# KiCad board FrontEnd_5G.kicad_pcb (continued)
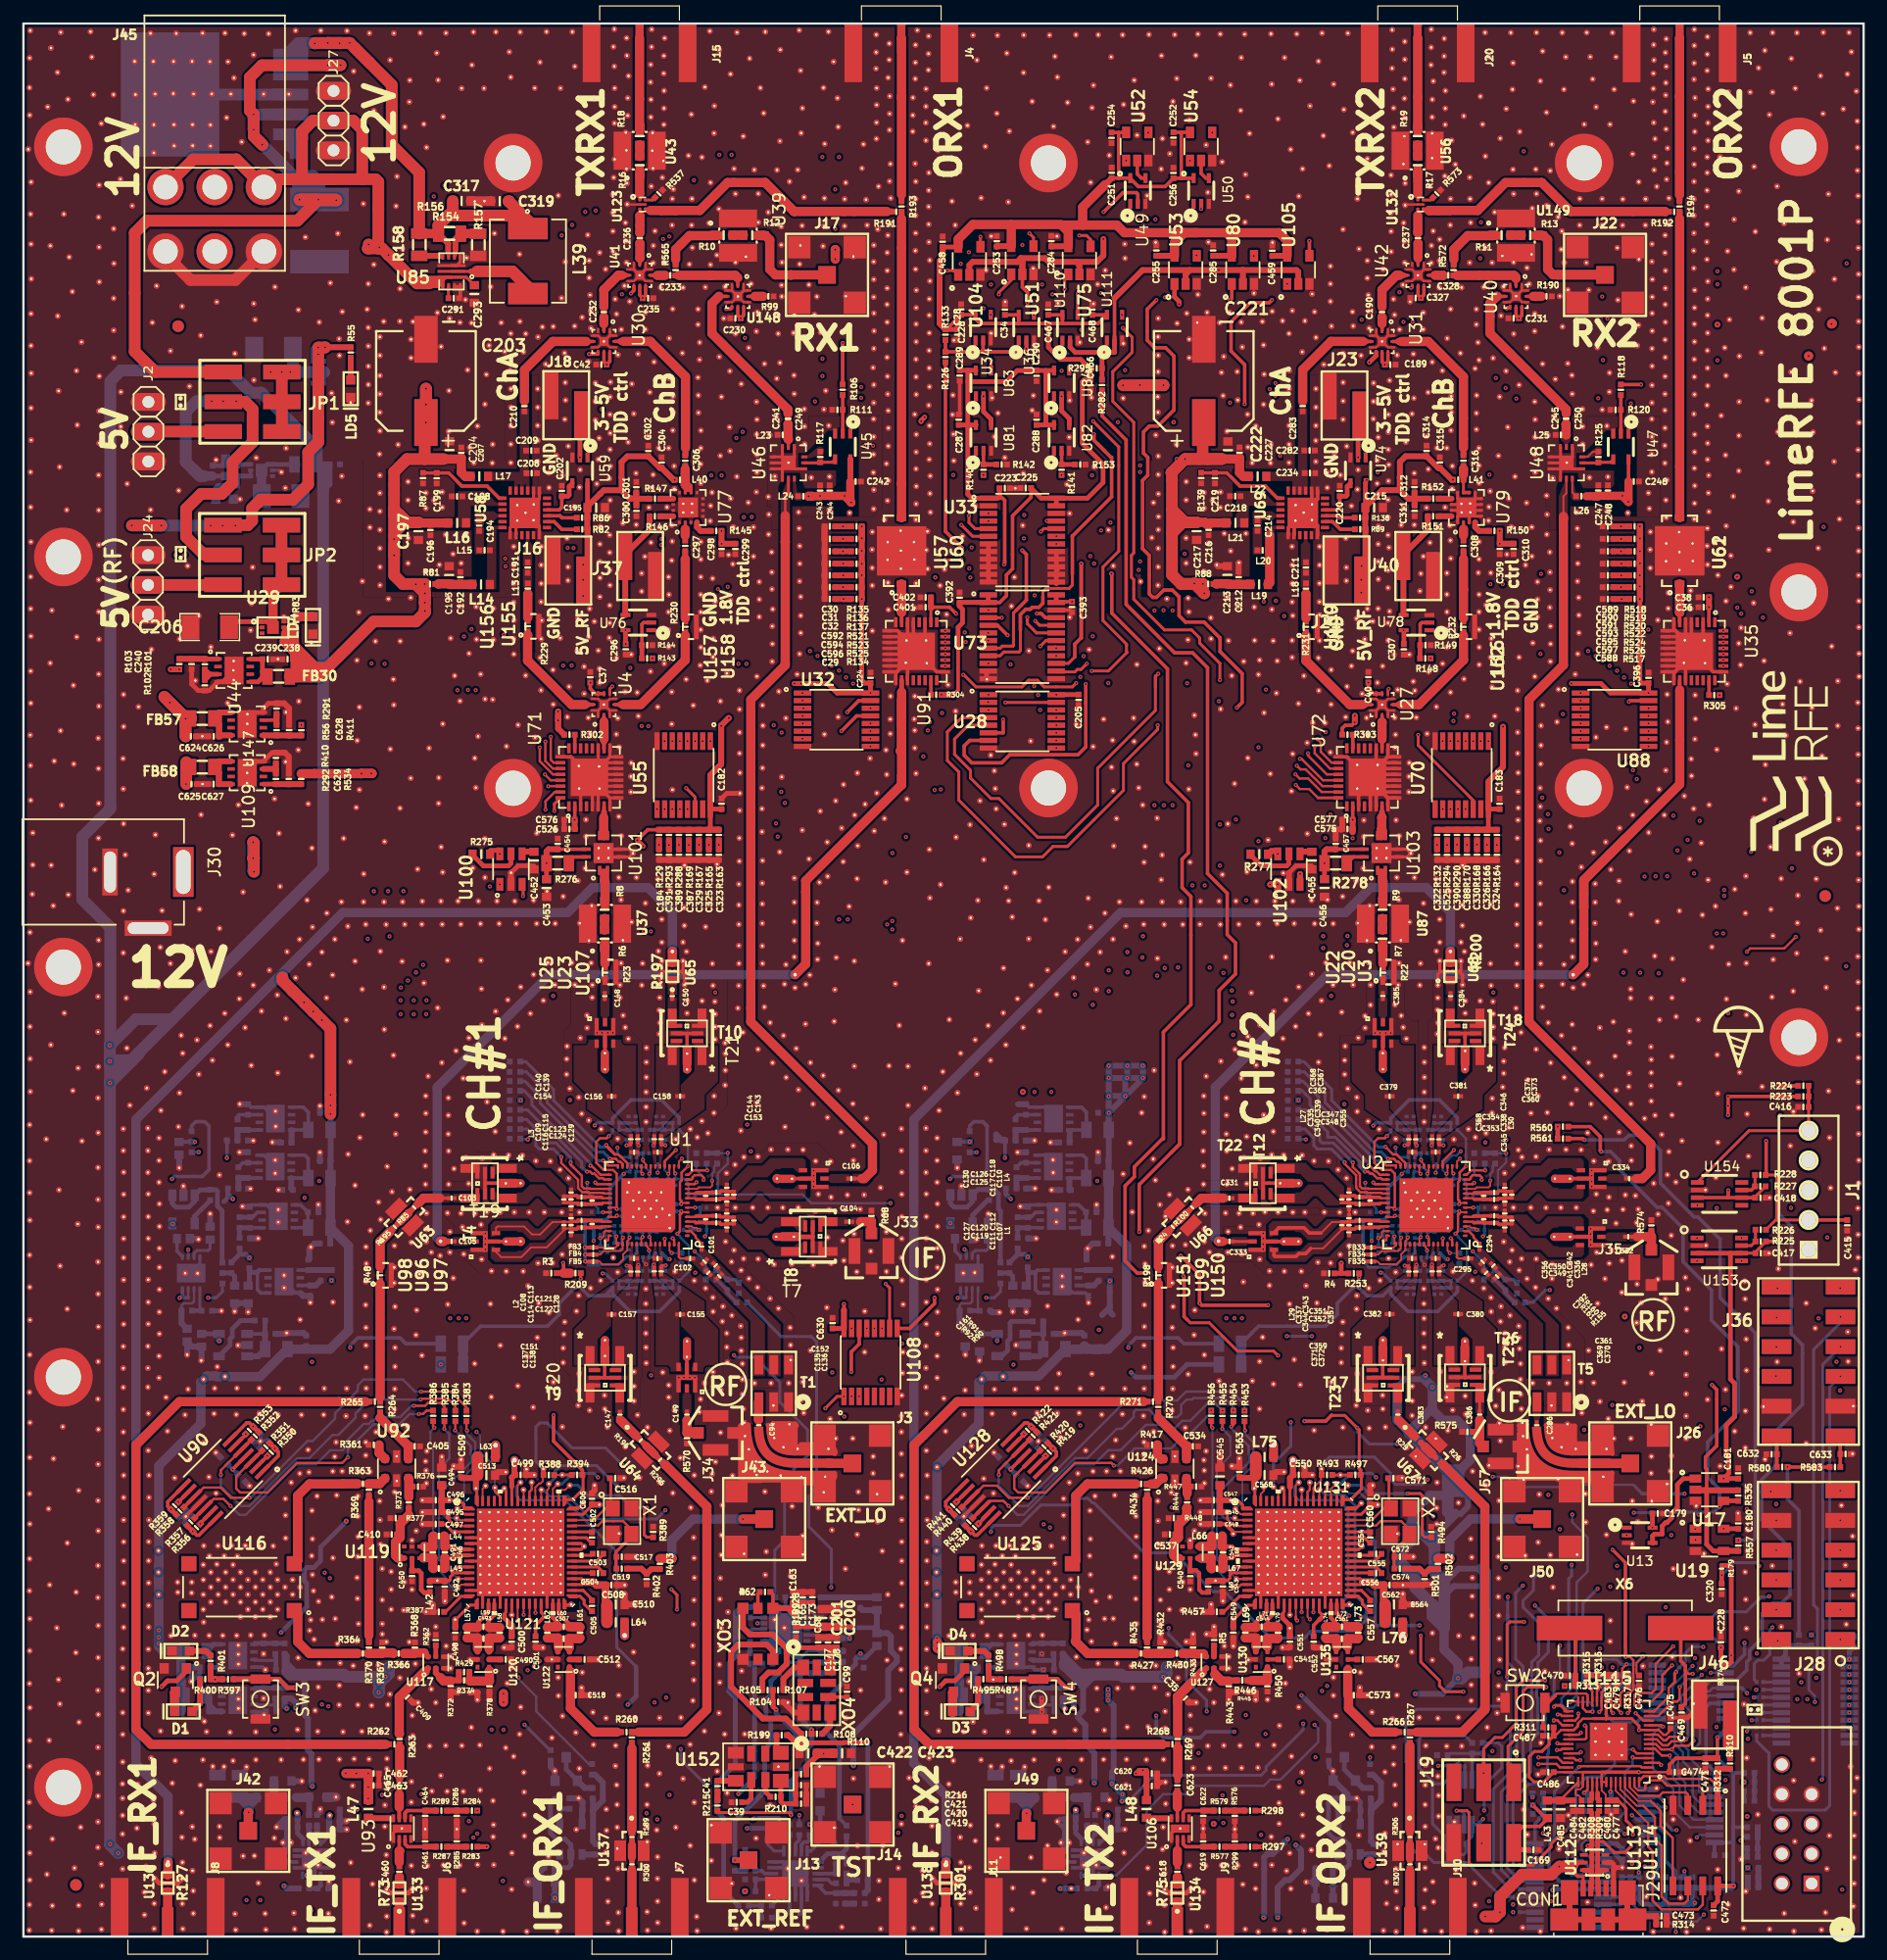
[diagram p0: board, top side]
## Placement (name value [footprint] x y rotation side) (continued)
Ref**#2129  Val**  [VIA_600_400]  155.01 95.36 0 top
Ref**#2130  Val**  [VIA_600_400]  147.75 95.46 0 top
Ref**#2131  Val**  [VIA_600_400]  148.67 97.06 0 top
Ref**#2132  Val**  [VIA_600_400]  151.23 95.4 0 top
Ref**#2133  Val**  [VIA_600_400#10]  35.61 59.34 0 top
Ref**#2134  Val**  [VIA_600_400]  47.43 99.9 0 top
Ref**#2135  Val**  [VIA_600_400]  49.16 99.86 0 top
Ref**#2136  Val**  [VIA_600_400]  49.19 97.97 0 top
Ref**#2137  Val**  [VIA_600_400]  47.45 97.97 0 top
Ref**#2138  Val**  [VIA_600_400]  61.13 91.77 0 top
Ref**#2139  Val**  [VIA_600_400]  63.07 94.28 0 top
Ref**#2140  Val**  [VIA_600_400]  63.11 105.08 0 top
Ref**#2141  Val**  [VIA_600_400]  54.51 83.27 0 top
Ref**#2142  Val**  [VIA_600_400#10]  65.89 82.09 0 top
Ref**#2143  Val**  [VIA_600_400]  54.22 84.1 0 top
Ref**#2144  Val**  [VIA_600_400]  55.2 89.32 0 top
Ref**#2145  Val**  [VIA_600_400]  56.42 87.8 0 top
Ref**#2146  Val**  [VIA_600_400]  56.45 91.42 0 top
Ref**#2147  Val**  [VIA_600_400]  56.44 86.28 270 top
Ref**#2148  Val**  [VIA_600_400]  54.19 90.26 0 top
Ref**#2149  Val**  [VIA_600_400]  44.78 83.11 0 top
Ref**#2150  Val**  [VIA_600_400]  42.46 81.04 0 top
Ref**#2151  Val**  [VIA_600_400]  41.36 79.94 0 top
Ref**#2152  Val**  [VIA_600_400]  43.56 82.1 0 top
Ref**#2153  Val**  [VIA_600_400]  53.11 88.19 0 top
Ref**#2154  Val**  [VIA_600_400]  43.56 88.44 0 top
Ref**#2155  Val**  [VIA_600_400]  54.51 86.81 0 top
Ref**#2156  Val**  [VIA_600_400]  47.09 81.23 0 top
Ref**#2157  Val**  [VIA_600_400]  52.87 83.05 0 top
Ref**#2158  Val**  [VIA_600_400]  52.8 81.19 0 top
Ref**#2159  Val**  [VIA_600_400]  46.82 83.11 0 top
Ref**#2160  Val**  [VIA_600_400]  40.32 78.96 0 top
Ref**#2161  Val**  [VIA_600_400]  38.04 76.69 0 top
Ref**#2162  Val**  [VIA_600_400]  36.94 75.59 0 top
Ref**#2163  Val**  [VIA_600_400]  39.15 77.8 0 top
Ref**#2164  Val**  [VIA_600_400]  35.73 74.58 0 top
Ref**#2165  Val**  [VIA_600_400]  34.35 71.74 0 top
Ref**#2166  Val**  [VIA_600_400]  34.36 70.26 0 top
Ref**#2167  Val**  [VIA_600_400]  34.56 73.42 0 top
Ref**#2168  Val**  [VIA_600_400]  45.38 81.22 0 top
Ref**#2169  Val**  [VIA_600_400]  43.29 78.77 0 top
Ref**#2170  Val**  [VIA_600_400]  42.19 77.67 0 top
Ref**#2171  Val**  [VIA_600_400]  44.4 79.88 0 top
Ref**#2172  Val**  [VIA_600_400]  41.11 76.64 0 top
Ref**#2173  Val**  [VIA_600_400]  38.83 74.37 0 top
Ref**#2174  Val**  [VIA_600_400]  37.55 73.24 0 top
Ref**#2175  Val**  [VIA_600_400]  39.94 75.48 0 top
Ref**#2176  Val**  [VIA_600_400]  36.29 70.09 0 top
Ref**#2177  Val**  [VIA_600_400]  36.29 71.57 0 top
Ref**#2178  Val**  [VIA_600_400]  36.31 67.04 0 top
Ref**#2179  Val**  [VIA_600_400]  36.28 68.49 90 top
Ref**#2180  Val**  [VIA_600_400]  34.32 65.77 0 top
Ref**#2181  Val**  [VIA_600_400]  32.34 83.22 0 top
Ref**#2182  Val**  [VIA_600_400]  36.21 83.31 0 top
Ref**#2183  Val**  [VIA_600_400]  30.82 77.41 0 top
Ref**#2184  Val**  [VIA_600_400]  29.04 88.3 0 top
Ref**#2185  Val**  [VIA_600_400]  34.2 81.38 0 top
Ref**#2186  Val**  [VIA_600_400]  27.15 88.3 0 top
Ref**#2187  Val**  [VIA_600_400]  28.32 83.24 0 top
Ref**#2188  Val**  [VIA_600_400]  27.58 78.22 0 top
Ref**#2189  Val**  [VIA_600_400]  28.93 80.84 0 top
Ref**#2190  Val**  [VIA_600_400]  30.48 84.08 0 top
Ref**#2191  Val**  [VIA_600_400]  30.79 81.03 0 top
Ref**#2192  Val**  [VIA_600_400]  25.88 80.11 0 top
Ref**#2193  Val**  [VIA_600_400]  19.45 74.34 0 top
Ref**#2194  Val**  [VIA_600_400]  25.91 87.34 0 top
Ref**#2195  Val**  [VIA_600_400]  24.68 86.15 0 top
Ref**#2196  Val**  [VIA_600_400]  23.58 85.1 0 top
Ref**#2197  Val**  [VIA_600_400]  29.23 86.38 0 top
Ref**#2198  Val**  [VIA_600_400]  21 82.47 0 top
Ref**#2199  Val**  [VIA_600_400]  22.51 84.05 0 top
Ref**#2200  Val**  [VIA_600_400]  19.63 81.19 0 top
Ref**#2201  Val**  [VIA_600_400]  26.59 85.11 0 top
Ref**#2202  Val**  [VIA_600_400]  25.49 84.01 0 top
Ref**#2203  Val**  [VIA_600_400]  27.7 86.22 0 top
Ref**#2204  Val**  [VIA_600_400]  24.41 82.98 0 top
Ref**#2205  Val**  [VIA_600_400]  21.69 80.36 0 top
Ref**#2206  Val**  [VIA_600_400]  23.24 81.82 0 top
Ref**#2207  Val**  [VIA_600_400]  18.44 80.03 0 top
Ref**#2208  Val**  [VIA_600_400]  17.19 78.79 0 top
Ref**#2209  Val**  [VIA_600_400]  15.94 77.74 0 top
Ref**#2210  Val**  [VIA_600_400]  30.97 86.37 0 top
Ref**#2211  Val**  [VIA_600_400]  35.76 86.38 0 top
Ref**#2212  Val**  [VIA_600_400]  34.02 86.39 0 top
Ref**#2213  Val**  [VIA_600_400]  42.08 86.45 0 top
Ref**#2214  Val**  [VIA_600_400]  43.82 86.44 0 top
Ref**#2215  Val**  [VIA_600_400]  39.03 86.43 0 top
Ref**#2216  Val**  [VIA_600_400]  34.06 88.35 0 top
Ref**#2217  Val**  [VIA_600_400]  38.85 88.36 0 top
Ref**#2218  Val**  [VIA_600_400]  37.11 88.37 0 top
Ref**#2219  Val**  [VIA_600_400]  30.79 88.3 0 top
Ref**#2220  Val**  [VIA_600_400]  73.72 99.17 0 top
Ref**#2221  Val**  [VIA_600_400]  68.67 90.48 0 top
Ref**#2222  Val**  [VIA_600_400]  76.22 99.26 0 top
Ref**#2223  Val**  [VIA_600_400]  72.65 94.35 0 top
Ref**#2224  Val**  [VIA_600_400]  75.44 97.08 0 top
Ref**#2225  Val**  [VIA_600_400]  73.52 95.42 0 top
Ref**#2226  Val**  [VIA_600_400]  72.87 97.59 0 top
Ref**#2227  Val**  [VIA_600_400]  71.87 96.64 0 top
Ref**#2228  Val**  [VIA_600_400]  69.87 94.6 0 top
Ref**#2229  Val**  [VIA_600_400]  70.98 95.71 0 top
Ref**#2230  Val**  [VIA_600_400]  83.06 96.24 0 top
Ref**#2231  Val**  [VIA_600_400]  81.68 96.93 0 top
Ref**#2232  Val**  [VIA_600_400]  76.11 101.43 0 top
Ref**#2233  Val**  [VIA_600_400]  68.64 93.4 0 top
Ref**#2234  Val**  [VIA_600_400]  67.08 91.96 0 top
Ref**#2235  Val**  [VIA_600_400]  65.83 85.01 0 top
Ref**#2236  Val**  [VIA_600_400]  67.81 83.39 0 top
Ref**#2237  Val**  [VIA_600_400]  65.83 83.6 0 top
Ref**#2238  Val**  [VIA_600_400]  64.99 81.28 0 top
Ref**#2239  Val**  [VIA_600_400]  65.89 80.97 0 top
Ref**#2240  Val**  [VIA_600_400]  65.11 82.95 0 top
Ref**#2241  Val**  [VIA_600_400]  67.15 82.06 0 top
Ref**#2242  Val**  [VIA_600_400]  66.8 81.27 0 top
Ref**#2243  Val**  [VIA_600_400]  58.83 83.03 0 top
Ref**#2244  Val**  [VIA_600_400]  63.11 83.04 0 top
Ref**#2245  Val**  [VIA_600_400]  63.2 81.14 0 top
Ref**#2246  Val**  [VIA_600_400]  58.88 81.16 0 top
Ref**#2247  Val**  [VIA_600_400]  63.11 91.82 0 top
Ref**#2248  Val**  [VIA_600_400]  63.09 84.54 0 top
Ref**#2249  Val**  [VIA_600_400]  35.58 58.11 90 top
Ref**#2250  Val**  [VIA_600_400]  36.42 58.4 90 top
Ref**#2251  Val**  [VIA_600_400]  34.4 59.31 90 top
Ref**#2252  Val**  [VIA_600_400]  34.83 58.4 90 top
Ref**#2253  Val**  [VIA_600_400]  34.38 60.36 90 top
Ref**#2254  Val**  [VIA_600_400]  36.42 60.15 90 top
Ref**#2255  Val**  [VIA_600_400]  39.4 93.7 0 top
Ref**#2256  Val**  [VIA_600_400]  19.11 102.64 270 top
Ref**#2257  Val**  [VIA_600_400]  27.95 6.31 0 top
Ref**#2258  Val**  [VIA_600_400]  69.82 68.65 0 top
Ref**#2259  Val**  [VIA_600_400]  67.42 71.05 0 top
Ref**#2260  Val**  [VIA_600_400]  68.66 69.9 0 top
Ref**#2261  Val**  [VIA_600_400]  63.97 74.57 0 top
Ref**#2262  Val**  [VIA_600_400]  62.73 75.72 0 top
Ref**#2263  Val**  [VIA_600_400]  65.13 73.32 0 top
Ref**#2264  Val**  [VIA_600_400]  64.9 76.89 0 top
Ref**#2265  Val**  [VIA_600_400]  67.2 74.58 0 top
Ref**#2266  Val**  [VIA_600_400]  63.27 79.33 0 top
Ref**#2267  Val**  [VIA_600_400]  75.06 48.09 0 top
Ref**#2268  Val**  [VIA_600_400]  75.09 49.88 0 top
Ref**#2269  Val**  [VIA_600_400]  74.98 44.43 0 top
Ref**#2270  Val**  [VIA_600_400]  75 46.18 0 top
Ref**#2271  Val**  [VIA_600_400]  75.12 53.95 0 top
Ref**#2272  Val**  [VIA_600_400]  71.83 49.88 0 top
Ref**#2273  Val**  [VIA_600_400]  156.32 8.6 0 top
Ref**#2274  Val**  [VIA_600_400]  156.32 6.74 0 top
Ref**#2275  Val**  [VIA_600_400]  156.36 10.52 0 top
Ref**#2276  Val**  [VIA_600_400]  156.32 12.41 0 top
Ref**#2277  Val**  [VIA_600_400]  113.26 83.11 0 top
Ref**#2278  Val**  [VIA_600_400]  102.86 60.16 90 top
Ref**#2279  Val**  [VIA_600_400]  100.82 60.37 90 top
Ref**#2280  Val**  [VIA_600_400]  101.27 58.41 90 top
Ref**#2281  Val**  [VIA_600_400]  100.84 59.32 90 top
Ref**#2282  Val**  [VIA_600_400]  102.85 58.4 90 top
Ref**#2283  Val**  [VIA_600_400]  102.02 58.12 90 top
Ref**#2284  Val**  [VIA_600_400#10]  102.05 59.35 0 top
Ref**#2285  Val**  [VIA_600_400]  113.89 99.99 0 top
Ref**#2286  Val**  [VIA_600_400]  115.63 99.99 0 top
Ref**#2287  Val**  [VIA_600_400]  115.63 97.97 0 top
Ref**#2288  Val**  [VIA_600_400]  113.89 97.97 0 top
Ref**#2289  Val**  [VIA_600_400]  114.46 95.27 0 top
Ref**#2290  Val**  [VIA_600_400]  117.21 95.28 0 top
Ref**#2291  Val**  [VIA_600_400#10]  132.33 82.08 0 top
Ref**#2292  Val**  [VIA_600_400]  127.52 81.15 0 top
Ref**#2293  Val**  [VIA_600_400]  129.64 81.14 0 top
Ref**#2294  Val**  [VIA_600_400]  133.59 82.06 0 top
Ref**#2295  Val**  [VIA_600_400]  140.77 80.11 0 top
Ref**#2296  Val**  [VIA_600_400]  144.63 75.25 0 top
Ref**#2297  Val**  [VIA_600_400]  132.25 77.84 0 top
Ref**#2298  Val**  [VIA_600_400]  130.41 74.57 0 top
Ref**#2299  Val**  [VIA_600_400]  135.76 78.06 0 top
Ref**#2300  Val**  [VIA_600_400]  140.77 75.11 0 top
Ref**#2301  Val**  [VIA_600_400]  106.38 75.48 0 top
Ref**#2302  Val**  [VIA_600_400]  124.89 68.56 0 top
Ref**#2303  Val**  [VIA_600_400]  133.56 68.59 0 top
Ref**#2304  Val**  [VIA_600_400]  130.2 77.99 0 top
Ref**#2305  Val**  [VIA_600_400]  140.77 70.11 0 top
Ref**#2306  Val**  [VIA_600_400]  139.9 68.44 0 top
Ref**#2307  Val**  [VIA_600_400]  127.65 67.13 0 top
Ref**#2308  Val**  [VIA_600_400]  127.59 100.98 0 top
Ref**#2309  Val**  [VIA_600_400]  130.53 56.15 0 top
Ref**#2310  Val**  [VIA_600_400]  126.91 57.58 0 top
Ref**#2311  Val**  [VIA_600_400]  133.03 91.27 0 top
Ref**#2312  Val**  [VIA_600_400]  136 60.87 0 top
Ref**#2313  Val**  [VIA_600_400]  136.92 58.52 0 top
Ref**#2314  Val**  [VIA_600_400]  119.24 81.19 0 top
Ref**#2315  Val**  [VIA_600_400]  109.73 78.77 0 top
Ref**#2316  Val**  [VIA_600_400]  108.63 77.67 0 top
Ref**#2317  Val**  [VIA_600_400]  110.01 82.15 0 top
Ref**#2318  Val**  [VIA_600_400]  100.74 67.04 0 top
Ref**#2319  Val**  [VIA_600_400]  102.72 68.49 0 top
Ref**#2320  Val**  [VIA_600_400]  100.79 71.74 0 top
Ref**#2321  Val**  [VIA_600_400]  102.72 71.57 0 top
Ref**#2322  Val**  [VIA_600_400]  106.73 68.7 0 top
Ref**#2323  Val**  [VIA_600_400]  103.93 60.54 0 top
Ref**#2324  Val**  [VIA_600_400]  105.51 60.76 0 top
Ref**#2325  Val**  [VIA_600_400]  107.32 64.29 0 top
Ref**#2326  Val**  [VIA_600_400]  100.02 53.46 0 top
Ref**#2327  Val**  [VIA_600_400]  116.08 45.03 0 top
Ref**#2328  Val**  [VIA_600_400]  111.7 47.32 0 top
Ref**#2329  Val**  [VIA_600_400]  127.69 52.1 0 top
Ref**#2330  Val**  [VIA_600_400]  133.07 44.69 0 top
Ref**#2331  Val**  [VIA_600_400]  130.45 43.71 0 top
Ref**#2332  Val**  [VIA_600_400]  131.85 43.73 0 top
Ref**#2333  Val**  [VIA_600_400]  111.32 53.24 0 top
Ref**#2334  Val**  [VIA_600_400]  102.73 70.09 0 top
Ref**#2335  Val**  [VIA_600_400]  107.55 76.64 0 top
Ref**#2336  Val**  [VIA_600_400]  102.25 74.7 0 top
Ref**#2337  Val**  [VIA_600_400]  106.76 78.96 0 top
Ref**#2338  Val**  [VIA_600_400]  105.59 77.8 0 top
Ref**#2339  Val**  [VIA_600_400]  103.46 75.71 0 top
Ref**#2340  Val**  [VIA_600_400]  104.56 76.81 0 top
Ref**#2341  Val**  [VIA_600_400]  123.11 46.13 0 top
Ref**#2342  Val**  [VIA_600_400]  123.16 44.58 0 top
Ref**#2343  Val**  [VIA_600_400]  126.17 53.78 0 top
Ref**#2344  Val**  [VIA_600_400]  126.94 53 0 top
Ref**#2345  Val**  [VIA_600_400]  135.41 57.45 0 top
Ref**#2346  Val**  [VIA_600_400]  130.2 54.44 0 top
Ref**#2347  Val**  [VIA_600_400]  130.91 53.61 0 top
Ref**#2348  Val**  [VIA_600_400]  131.91 51.97 0 top
Ref**#2349  Val**  [VIA_600_400]  131.94 49.19 0 top
Ref**#2350  Val**  [VIA_600_400]  131.95 50.48 0 top
Ref**#2351  Val**  [VIA_600_400]  129.12 55.4 0 top
Ref**#2352  Val**  [VIA_600_400]  128.39 56.14 0 top
Ref**#2353  Val**  [VIA_600_400]  127.72 56.86 0 top
Ref**#2354  Val**  [VIA_600_400]  131.34 41.76 0 top
Ref**#2355  Val**  [VIA_600_400]  132.55 41.62 0 top
Ref**#2356  Val**  [VIA_600_400]  116.09 49.18 0 top
Ref**#2357  Val**  [VIA_600_400]  102.2 86.37 0 top
Ref**#2358  Val**  [VIA_600_400]  94.14 86.23 0 top
Ref**#2359  Val**  [VIA_600_400]  95.66 86.38 0 top
Ref**#2360  Val**  [VIA_600_400]  100.46 86.39 0 top
Ref**#2361  Val**  [VIA_600_400]  97.41 86.37 0 top
Ref**#2362  Val**  [VIA_600_400]  99 86.37 0 top
Ref**#2363  Val**  [VIA_600_400]  98.82 88.3 0 top
Ref**#2364  Val**  [VIA_600_400]  100.5 88.35 0 top
Ref**#2365  Val**  [VIA_600_400]  102.1 88.36 0 top
Ref**#2366  Val**  [VIA_600_400]  97.23 88.3 0 top
Ref**#2367  Val**  [VIA_600_400]  95.48 88.3 0 top
Ref**#2368  Val**  [VIA_600_400]  91.94 84.01 0 top
Ref**#2369  Val**  [VIA_600_400]  90.86 82.98 0 top
Ref**#2370  Val**  [VIA_600_400]  88.95 84.05 0 top
Ref**#2371  Val**  [VIA_600_400]  90.02 85.1 0 top
Ref**#2372  Val**  [VIA_600_400]  92.35 87.34 0 top
Ref**#2373  Val**  [VIA_600_400]  91.12 86.15 0 top
Ref**#2374  Val**  [VIA_600_400]  80.03 75.38 0 top
Ref**#2375  Val**  [VIA_600_400]  81.27 76.53 0 top
Ref**#2376  Val**  [VIA_600_400]  82.38 77.74 0 top
Ref**#2377  Val**  [VIA_600_400]  85.37 77.58 0 top
Ref**#2378  Val**  [VIA_600_400]  83.89 76.1 0 top
Ref**#2379  Val**  [VIA_600_400]  82.58 74.78 0 top
Ref**#2380  Val**  [VIA_600_400]  86.07 81.19 0 top
Ref**#2381  Val**  [VIA_600_400]  84.88 80.03 0 top
Ref**#2382  Val**  [VIA_600_400]  83.67 78.83 0 top
Ref**#2383  Val**  [VIA_600_400]  86.77 78.98 0 top
Ref**#2384  Val**  [VIA_600_400]  87.44 82.48 0 top
Ref**#2385  Val**  [VIA_600_400]  89.68 81.83 0 top
Ref**#2386  Val**  [VIA_600_400]  59.61 34.26 0 top
Ref**#2387  Val**  [VIA_600_400]  68.34 37.92 0 top
Ref**#2388  Val**  [VIA_600_400]  69.04 34.69 0 top
Ref**#2389  Val**  [VIA_600_400]  66.55 32.61 0 top
Ref**#2390  Val**  [VIA_600_400]  55.45 37.85 0 top
Ref**#2391  Val**  [VIA_600_400]  61.54 32.67 0 top
Ref**#2392  Val**  [VIA_600_400]  73.97 14.51 0 top
Ref**#2393  Val**  [VIA_600_400]  73.75 23.59 0 top
Ref**#2394  Val**  [VIA_600_400]  73.81 29.19 0 top
Ref**#2395  Val**  [VIA_600_400]  123.11 75.58 0 top
Ref**#2396  Val**  [VIA_600_400]  123.09 49.1 0 top
Ref**#2397  Val**  [VIA_600_400]  60.16 27.7 0 top
Ref**#2398  Val**  [VIA_600_400]  67.98 14.51 0 top
Ref**#2399  Val**  [VIA_600_400]  60.48 4.53 0 top
Ref**#2400  Val**  [VIA_600_400]  56.33 13.47 0 top
Ref**#2401  Val**  [VIA_600_400]  134.25 15.5 90 top
Ref**#2402  Val**  [VIA_600_400]  136.49 15.48 90 top
Ref**#2403  Val**  [VIA_600_400]  135.39 15.5 90 top
Ref**#2404  Val**  [VIA_600_400]  135.39 17.75 90 top
Ref**#2405  Val**  [VIA_600_400]  136.49 17.74 90 top
Ref**#2406  Val**  [VIA_600_400]  134.25 17.77 90 top
Ref**#2407  Val**  [VIA_600_400]  134.24 16.64 90 top
Ref**#2408  Val**  [VIA_600_400]  136.49 16.62 90 top
Ref**#2409  Val**  [VIA_600_400]  135.39 16.63 90 top
Ref**#2410  Val**  [VIA_600_400]  135.56 10.43 90 top
Ref**#2411  Val**  [VIA_600_400]  140.79 23.88 90 top
Ref**#2412  Val**  [VIA_600_400]  131.93 10.36 90 top
Ref**#2413  Val**  [VIA_600_400]  140.87 10 90 top
Ref**#2414  Val**  [VIA_600_400]  141.92 14.02 90 top
Ref**#2415  Val**  [VIA_600_400]  143.62 14.03 90 top
Ref**#2416  Val**  [VIA_600_400]  140.81 18.68 90 top
Ref**#2417  Val**  [VIA_600_400]  144.94 25.96 90 top
Ref**#2418  Val**  [VIA_600_400]  142.63 19.88 90 top
Ref**#2419  Val**  [VIA_600_400]  135.67 22.12 90 top
Ref**#2420  Val**  [VIA_600_400]  125.98 20.25 90 top
Ref**#2421  Val**  [VIA_600_400]  129.92 22.65 90 top
Ref**#2422  Val**  [VIA_600_400]  144.67 5.72 90 top
Ref**#2423  Val**  [VIA_600_400]  129.34 13.84 90 top
Ref**#2424  Val**  [VIA_600_400]  129.58 16.53 90 top
Ref**#2425  Val**  [VIA_600_400]  136.52 5.89 0 top
Ref**#2426  Val**  [VIA_600_400]  140.88 31.38 90 top
Ref**#2427  Val**  [VIA_600_400]  78.31 89.78 0 top
Ref**#2428  Val**  [VIA_600_400]  99.62 91.69 0 top
Ref**#2429  Val**  [VIA_600_400]  95.78 93.03 0 top
Ref**#2430  Val**  [VIA_600_400]  77.41 88.64 0 top
Ref**#2431  Val**  [VIA_600_400]  87.27 86.79 0 top
Ref**#2432  Val**  [VIA_600_400]  82.01 91.9 0 top
Ref**#2433  Val**  [VIA_600_400]  85.85 93.13 0 top
Ref**#2434  Val**  [VIA_600_400]  84.65 90.8 0 top
Ref**#2435  Val**  [VIA_600_400]  93.11 93.07 0 top
Ref**#2436  Val**  [VIA_600_400]  95.69 91.68 0 top
Ref**#2437  Val**  [VIA_600_400]  86.72 88.39 0 top
Ref**#2438  Val**  [VIA_600_400]  96.81 95.45 0 top
Ref**#2439  Val**  [VIA_600_400]  149.05 58.31 0 top
Ref**#2440  Val**  [VIA_600_400]  143.67 58.99 0 top
Ref**#2441  Val**  [VIA_600_400]  143.62 63.72 0 top
Ref**#2442  Val**  [VIA_600_400]  19.12 103.5 270 top
Ref**#2443  Val**  [VIA_600_400]  19.13 104.33 270 top
Ref**#2444  Val**  [VIA_600_400]  15.3 98.36 0 top
Ref**#2445  Val**  [VIA_600_400]  19.12 100.14 270 top
Ref**#2446  Val**  [VIA_600_400]  19.11 99.31 270 top
Ref**#2447  Val**  [VIA_600_400]  19.1 98.45 270 top
Ref**#2448  Val**  [VIA_600_400]  93.06 97.77 0 top
Ref**#2449  Val**  [VIA_600_400]  95.58 96.57 0 top
Ref**#2450  Val**  [VIA_600_400]  90.93 88.62 0 top
Ref**#2451  Val**  [VIA_600_400]  83.77 94.92 0 top
Ref**#2452  Val**  [VIA_600_400]  82.91 99.49 0 top
Ref**#2453  Val**  [VIA_600_400]  82.99 97.97 0 top
Ref**#2454  Val**  [VIA_600_400]  82.6 100.82 0 top
Ref**#2455  Val**  [VIA_600_400]  139.45 12.66 90 top
Ref**#2456  Val**  [VIA_600_400]  138.28 23.08 90 top
Ref**#2457  Val**  [VIA_600_400]  50.36 57.94 0 top
Ref**#2458  Val**  [VIA_600_400]  116.57 57.88 0 top
Ref**#2459  Val**  [VIA_600_400]  6.7 4.33 0 top
Ref**#2460  Val**  [VIA_600_400]  6.68 2.75 0 top
Ref**#2461  Val**  [VIA_600_400]  6.66 0.61 0 top
Ref**#2462  Val**  [VIA_600_400]  6.64 6.2 0 top
Ref**#2463  Val**  [VIA_600_400]  8.47 5.77 0 top
Ref**#2464  Val**  [VIA_600_400]  18.13 0.57 0 top
Ref**#2465  Val**  [VIA_600_400]  20.7 0.59 0 top
Ref**#2466  Val**  [VIA_600_400]  20.64 1.96 0 top
Ref**#2467  Val**  [VIA_600_400]  18.07 1.94 0 top
Ref**#2468  Val**  [VIA_600_400]  23.1 2.01 0 top
Ref**#2469  Val**  [VIA_600_400]  26.05 1.96 0 top
Ref**#2470  Val**  [VIA_600_400]  94.68 61.83 0 top
Ref**#2471  Val**  [VIA_600_400]  61.33 22.67 0 top
Ref**#2472  Val**  [VIA_600_400]  68.6 53.68 180 top
Ref**#2473  Val**  [VIA_600_400]  26.85 145.34 0 top
Ref**#2474  Val**  [VIA_600_400]  16.51 139.5 0 top
Ref**#2475  Val**  [VIA_600_400]  18.64 153.16 0 top
Ref**#2476  Val**  [VIA_600_400]  31.31 160.14 0 top
Ref**#2477  Val**  [VIA_600_400]  28.2 159.19 0 top
Ref**#2478  Val**  [VIA_600_400]  32.95 156.57 0 top
Ref**#2479  Val**  [VIA_600_400]  19.67 139.36 0 top
Ref**#2480  Val**  [VIA_600_400]  34.19 154.68 0 top
Ref**#2481  Val**  [VIA_600_400]  35.41 158.44 0 top
Ref**#2482  Val**  [VIA_600_400]  100.29 162.36 0 top
Ref**#2483  Val**  [VIA_600_400]  106.53 162.38 0 top
Ref**#2484  Val**  [VIA_600_400]  104.28 162.35 0 top
Ref**#2485  Val**  [VIA_600_400]  102.2 162.36 0 top
Ref**#2486  Val**  [VIA_600_400]  108.73 162.37 0 top
Ref**#2487  Val**  [VIA_600_400]  113.09 162.43 0 top
Ref**#2488  Val**  [VIA_600_400]  110.89 162.44 0 top
Ref**#2489  Val**  [VIA_600_400]  38.75 0.45 0 top
Ref**#2490  Val**  [VIA_600_400]  40.95 0.44 0 top
Ref**#2491  Val**  [VIA_600_400]  156.52 157.48 0 top
Ref**#2492  Val**  [VIA_600_400]  149.36 157.4 0 top
Ref**#2493  Val**  [VIA_600_400]  151.3 157.73 0 top
Ref**#2494  Val**  [VIA_600_400]  153.67 155.57 0 top
Ref**#2495  Val**  [VIA_600_400]  147.45 157.4 0 top
Ref**#2496  Val**  [VIA_600_400]  127.15 157.64 0 top
Ref**#2497  Val**  [VIA_600_400]  124.41 157.04 0 top
Ref**#2498  Val**  [VIA_600_400]  129.53 158.36 0 top
Ref**#2499  Val**  [VIA_600_400]  131.54 157.64 0 top
Ref**#2500  Val**  [VIA_600_400]  135.83 157.64 0 top
Ref**#2501  Val**  [VIA_600_400]  134 158.52 0 top
Ref**#2502  Val**  [VIA_600_400]  37.63 1.15 0 top
Ref**#2503  Val**  [VIA_600_400]  37.6 3.93 0 top
Ref**#2504  Val**  [VIA_600_400]  44.83 6.85 0 top
Ref**#2505  Val**  [VIA_600_400]  47.21 9.13 0 top
Ref**#2506  Val**  [VIA_600_400]  35.64 13.73 0 top
Ref**#2507  Val**  [VIA_600_400]  15.11 12.92 0 top
Ref**#2508  Val**  [VIA_600_400]  6.36 7.61 0 top
Ref**#2509  Val**  [VIA_600_400]  6.37 13.95 0 top
Ref**#2510  Val**  [VIA_600_400]  6.36 21.01 0 top
Ref**#2511  Val**  [VIA_600_400]  6.36 28.93 0 top
Ref**#2512  Val**  [VIA_600_400]  6.37 37.21 0 top
Ref**#2513  Val**  [VIA_600_400]  6.36 45.87 0 top
Ref**#2514  Val**  [VIA_600_400]  6.38 54.84 0 top
Ref**#2515  Val**  [VIA_600_400]  6.37 62.9 0 top
Ref**#2516  Val**  [VIA_600_400]  6.37 71.57 0 top
Ref**#2517  Val**  [VIA_600_400]  6.37 80.22 0 top
Ref**#2518  Val**  [VIA_600_400]  6.37 57.58 0 top
Ref**#2519  Val**  [VIA_600_400]  6.39 60.55 0 top
Ref**#2520  Val**  [VIA_600_400]  6.4 52.04 0 top
Ref**#2521  Val**  [VIA_600_400]  6.38 49.07 0 top
Ref**#2522  Val**  [VIA_600_400]  6.37 31.66 0 top
Ref**#2523  Val**  [VIA_600_400]  6.39 34.63 0 top
Ref**#2524  Val**  [VIA_600_400]  6.4 43.28 0 top
Ref**#2525  Val**  [VIA_600_400]  6.38 40.31 0 top
Ref**#2526  Val**  [VIA_600_400]  6.39 26.54 0 top
Ref**#2527  Val**  [VIA_600_400]  6.38 23.81 0 top
Ref**#2528  Val**  [VIA_600_400]  6.39 18.95 0 top
Ref**#2529  Val**  [VIA_600_400]  6.37 16.15 0 top
Ref**#2530  Val**  [VIA_600_400]  6.37 11.99 0 top
Ref**#2531  Val**  [VIA_600_400]  6.37 9.79 0 top
Ref**#2532  Val**  [VIA_600_400]  63.43 32.85 0 top
Ref**#2533  Val**  [VIA_600_400]  63.35 30.87 0 top
Ref**#2534  Val**  [VIA_600_400]  65.5 30.78 0 top
Ref**#2535  Val**  [VIA_600_400]  70.19 31.38 0 top
Ref**#2536  Val**  [VIA_600_400]  73.34 32.9 0 top
Ref**#2537  Val**  [VIA_600_400]  129.34 33.65 0 top
Ref**#2538  Val**  [VIA_600_400]  105.55 45.03 0 top
Ref**#2539  Val**  [VIA_600_400]  104.94 47.42 0 top
Ref**#2540  Val**  [VIA_600_400]  108.51 49.24 0 top
Ref**#2541  Val**  [VIA_600_400]  105.81 51.15 0 top
Ref**#2542  Val**  [VIA_600_400]  108.11 53.98 0 top
Ref**#2543  Val**  [VIA_600_400]  104.17 55.87 0 top
Ref**#2544  Val**  [VIA_600_400]  94.48 67.73 0 top
Ref**#2545  Val**  [VIA_600_400]  95.49 70.3 0 top
Ref**#2546  Val**  [VIA_600_400]  95.71 71.68 0 top
Ref**#2547  Val**  [VIA_600_400]  96.55 73.93 0 top
Ref**#2548  Val**  [VIA_600_400]  73.91 74.31 0 top
Ref**#2549  Val**  [VIA_600_400]  75.53 74.27 0 top
Ref**#2550  Val**  [VIA_600_400]  70.95 74.28 0 top
Ref**#2551  Val**  [VIA_600_400]  62.62 71.14 0 top
Ref**#2552  Val**  [VIA_600_400]  61.26 68.78 0 top
Ref**#2553  Val**  [VIA_600_400]  65.03 69.1 0 top
Ref**#2554  Val**  [VIA_600_400]  39.59 71.23 0 top
Ref**#2555  Val**  [VIA_600_400]  3.83 88.91 0 top
Ref**#2556  Val**  [VIA_600_400]  6.42 85.04 0 top
Ref**#2557  Val**  [VIA_600_400]  6.41 99.68 0 top
Ref**#2558  Val**  [VIA_600_400]  6.1 91.05 0 top
Ref**#2559  Val**  [VIA_600_400]  6.42 82.95 0 top
Ref**#2560  Val**  [VIA_600_400]  6.41 93.74 0 top
Ref**#2561  Val**  [VIA_600_400]  6.43 96.71 0 top
Ref**#2562  Val**  [VIA_600_400]  6.45 118.76 0 top
Ref**#2563  Val**  [VIA_600_400]  6.43 115.79 0 top
Ref**#2564  Val**  [VIA_600_400]  6.44 105 0 top
Ref**#2565  Val**  [VIA_600_400]  6.43 113.06 0 top
Ref**#2566  Val**  [VIA_600_400]  6.43 121.73 0 top
Ref**#2567  Val**  [VIA_600_400]  6.43 107.74 0 top
Ref**#2568  Val**  [VIA_600_400]  6.45 110.71 0 top
Ref**#2569  Val**  [VIA_600_400]  6.39 102.27 0 top
Ref**#2570  Val**  [VIA_600_400]  6.48 141.21 0 top
Ref**#2571  Val**  [VIA_600_400]  4.53 133.63 0 top
Ref**#2572  Val**  [VIA_600_400]  6.47 127.45 0 top
Ref**#2573  Val**  [VIA_600_400]  3.91 143.33 0 top
Ref**#2574  Val**  [VIA_600_400]  6.46 144.18 0 top
Ref**#2575  Val**  [VIA_600_400]  6.46 130.19 0 top
Ref**#2576  Val**  [VIA_600_400]  6.48 133.16 0 top
Ref**#2577  Val**  [VIA_600_400]  6.42 124.72 0 top
Ref**#2578  Val**  [VIA_600_400]  6.42 146.74 0 top
Ref**#2579  Val**  [VIA_600_400]  0.54 155.44 0 top
Ref**#2580  Val**  [VIA_600_400]  0.42 152.53 0 top
Ref**#2581  Val**  [VIA_600_400]  12.55 83.04 0 top
Ref**#2582  Val**  [VIA_600_400]  0.52 157.79 0 top
Ref**#2583  Val**  [VIA_600_400]  6.47 149.47 0 top
Ref**#2584  Val**  [VIA_600_400]  13.47 76.91 0 top
Ref**#2585  Val**  [VIA_600_400]  11.53 81.08 0 top
Ref**#2586  Val**  [VIA_600_400]  6.39 74.23 0 top
Ref**#2587  Val**  [VIA_600_400]  6.37 77.2 0 top
Ref**#2588  Val**  [VIA_600_400]  28.97 70.13 90 top
Ref**#2589  Val**  [VIA_600_400]  31.6 75.21 0 top
Ref**#2590  Val**  [VIA_600_400]  27.73 66.77 0 top
Ref**#2591  Val**  [VIA_600_400]  28.73 68.18 90 top
Ref**#2592  Val**  [VIA_600_400]  22.41 78.34 90 top
Ref**#2593  Val**  [VIA_600_400]  8.83 75.82 90 top
Ref**#2594  Val**  [VIA_600_400]  8.78 80.09 90 top
Ref**#2595  Val**  [VIA_600_400]  14.39 84.13 90 top
Ref**#2596  Val**  [VIA_600_400]  11.84 87.56 90 top
Ref**#2597  Val**  [VIA_600_400]  16.01 84.06 90 top
Ref**#2598  Val**  [VIA_600_400]  35.37 79.26 0 top
Ref**#2599  Val**  [VIA_600_400]  39.11 80.88 0 top
Ref**#2600  Val**  [VIA_600_400]  39.06 83.31 0 top
Ref**#2601  Val**  [VIA_600_400]  26.4 82.06 0 top
Ref**#2602  Val**  [VIA_600_400]  31.84 70.11 90 top
Ref**#2603  Val**  [VIA_600_400]  31.79 68.49 0 top
Ref**#2604  Val**  [VIA_600_400]  31.06 65.72 0 top
Ref**#2605  Val**  [VIA_600_400]  33.82 56.54 90 top
Ref**#2606  Val**  [VIA_600_400]  40.72 50.45 90 top
Ref**#2607  Val**  [VIA_600_400]  39.88 53.99 0 top
